# Altium PCB RTD_12POS_WPS.PcbDoc (part 1 of 2)
Units mm, origin at the board's own origin, x right, y up, seen from the top; angles counter-clockwise.
Board outline 122.3 x 122.04 mm, 2 copper layers (Top Layer, Bottom Layer); 302 components, 206 nets, 1167 pads, 0 vias.
Unrouted connection lines stored in the file: 871.
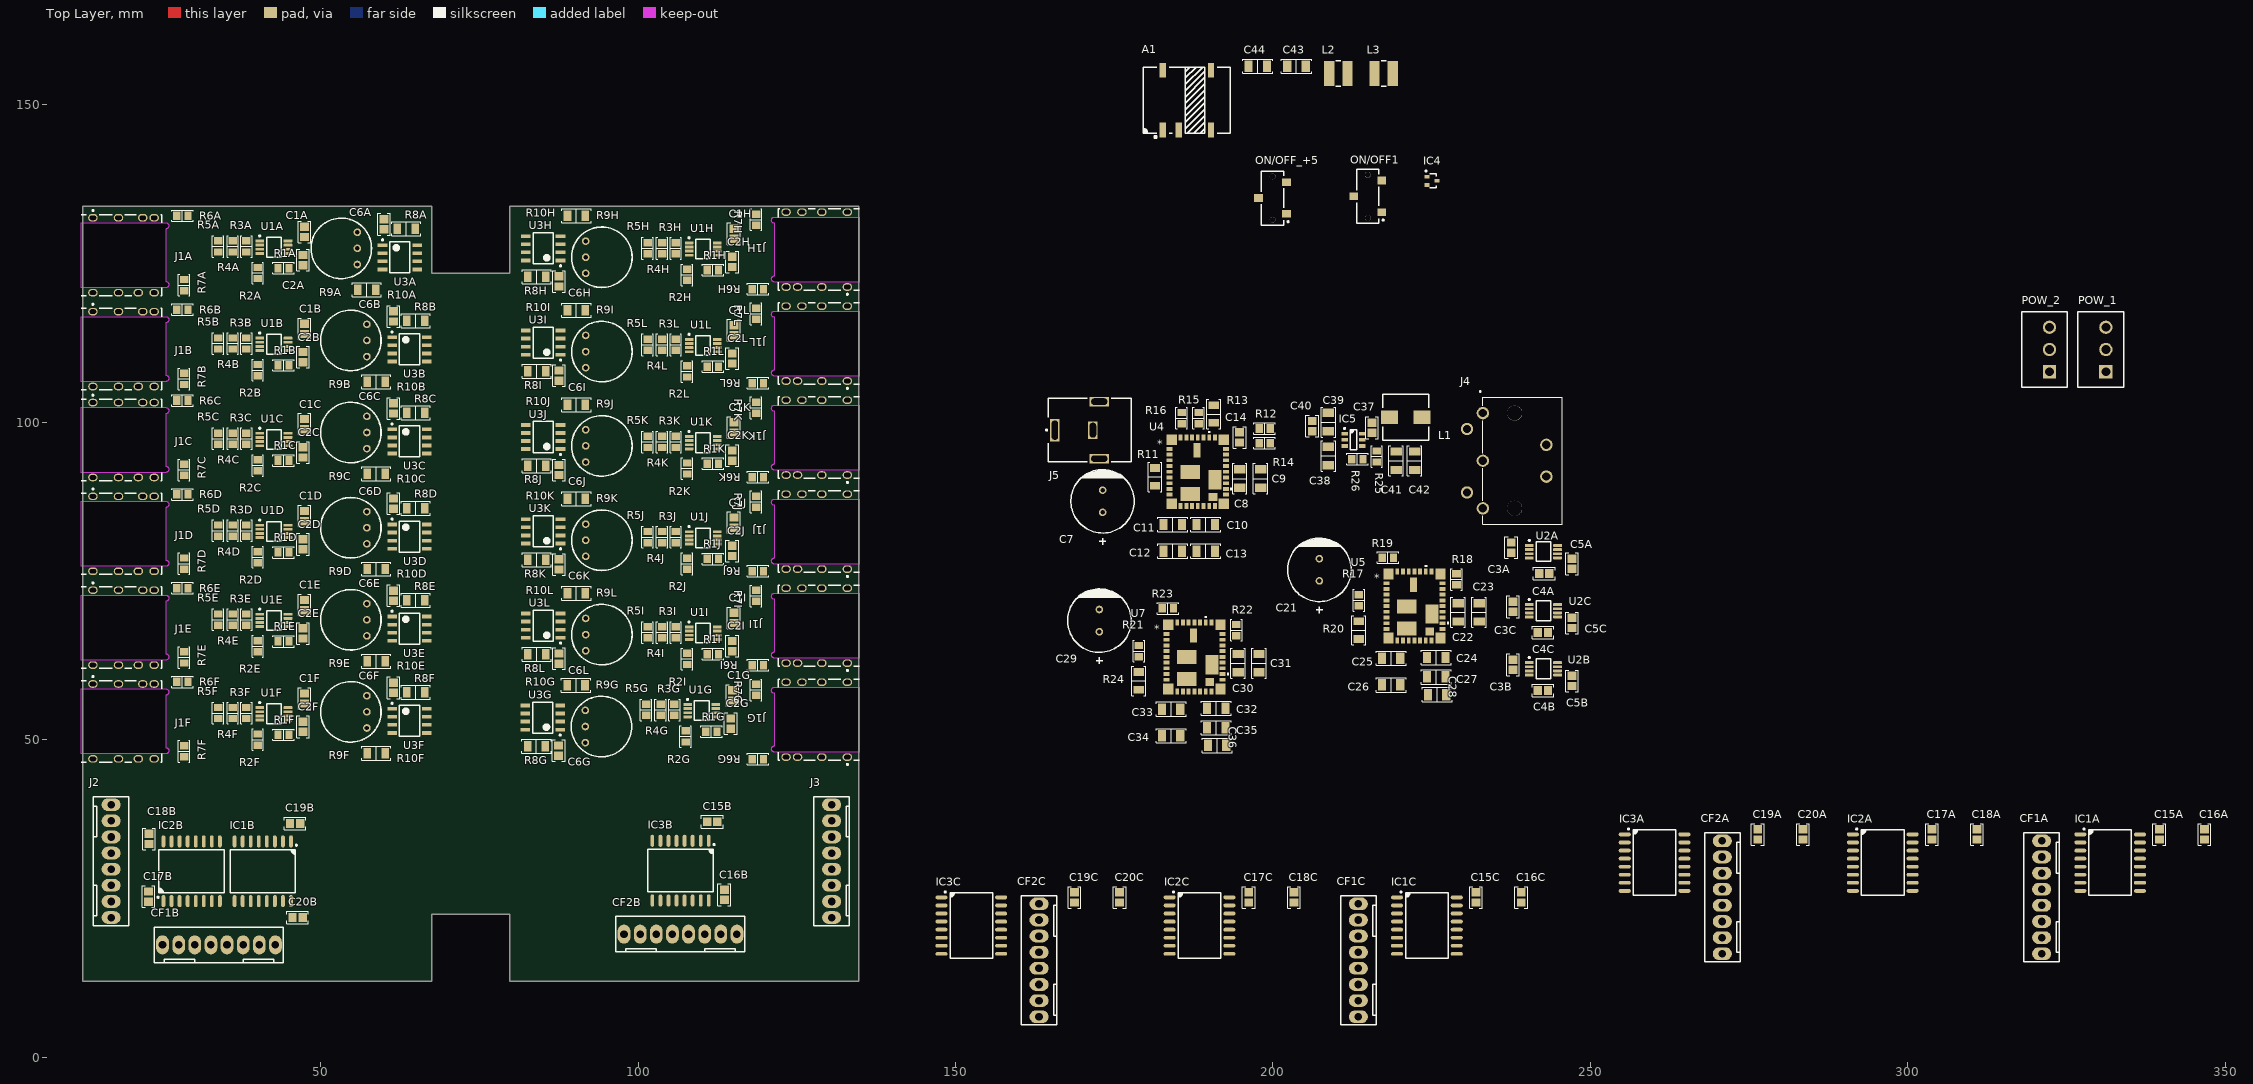
[diagram p0: Top Layer view]
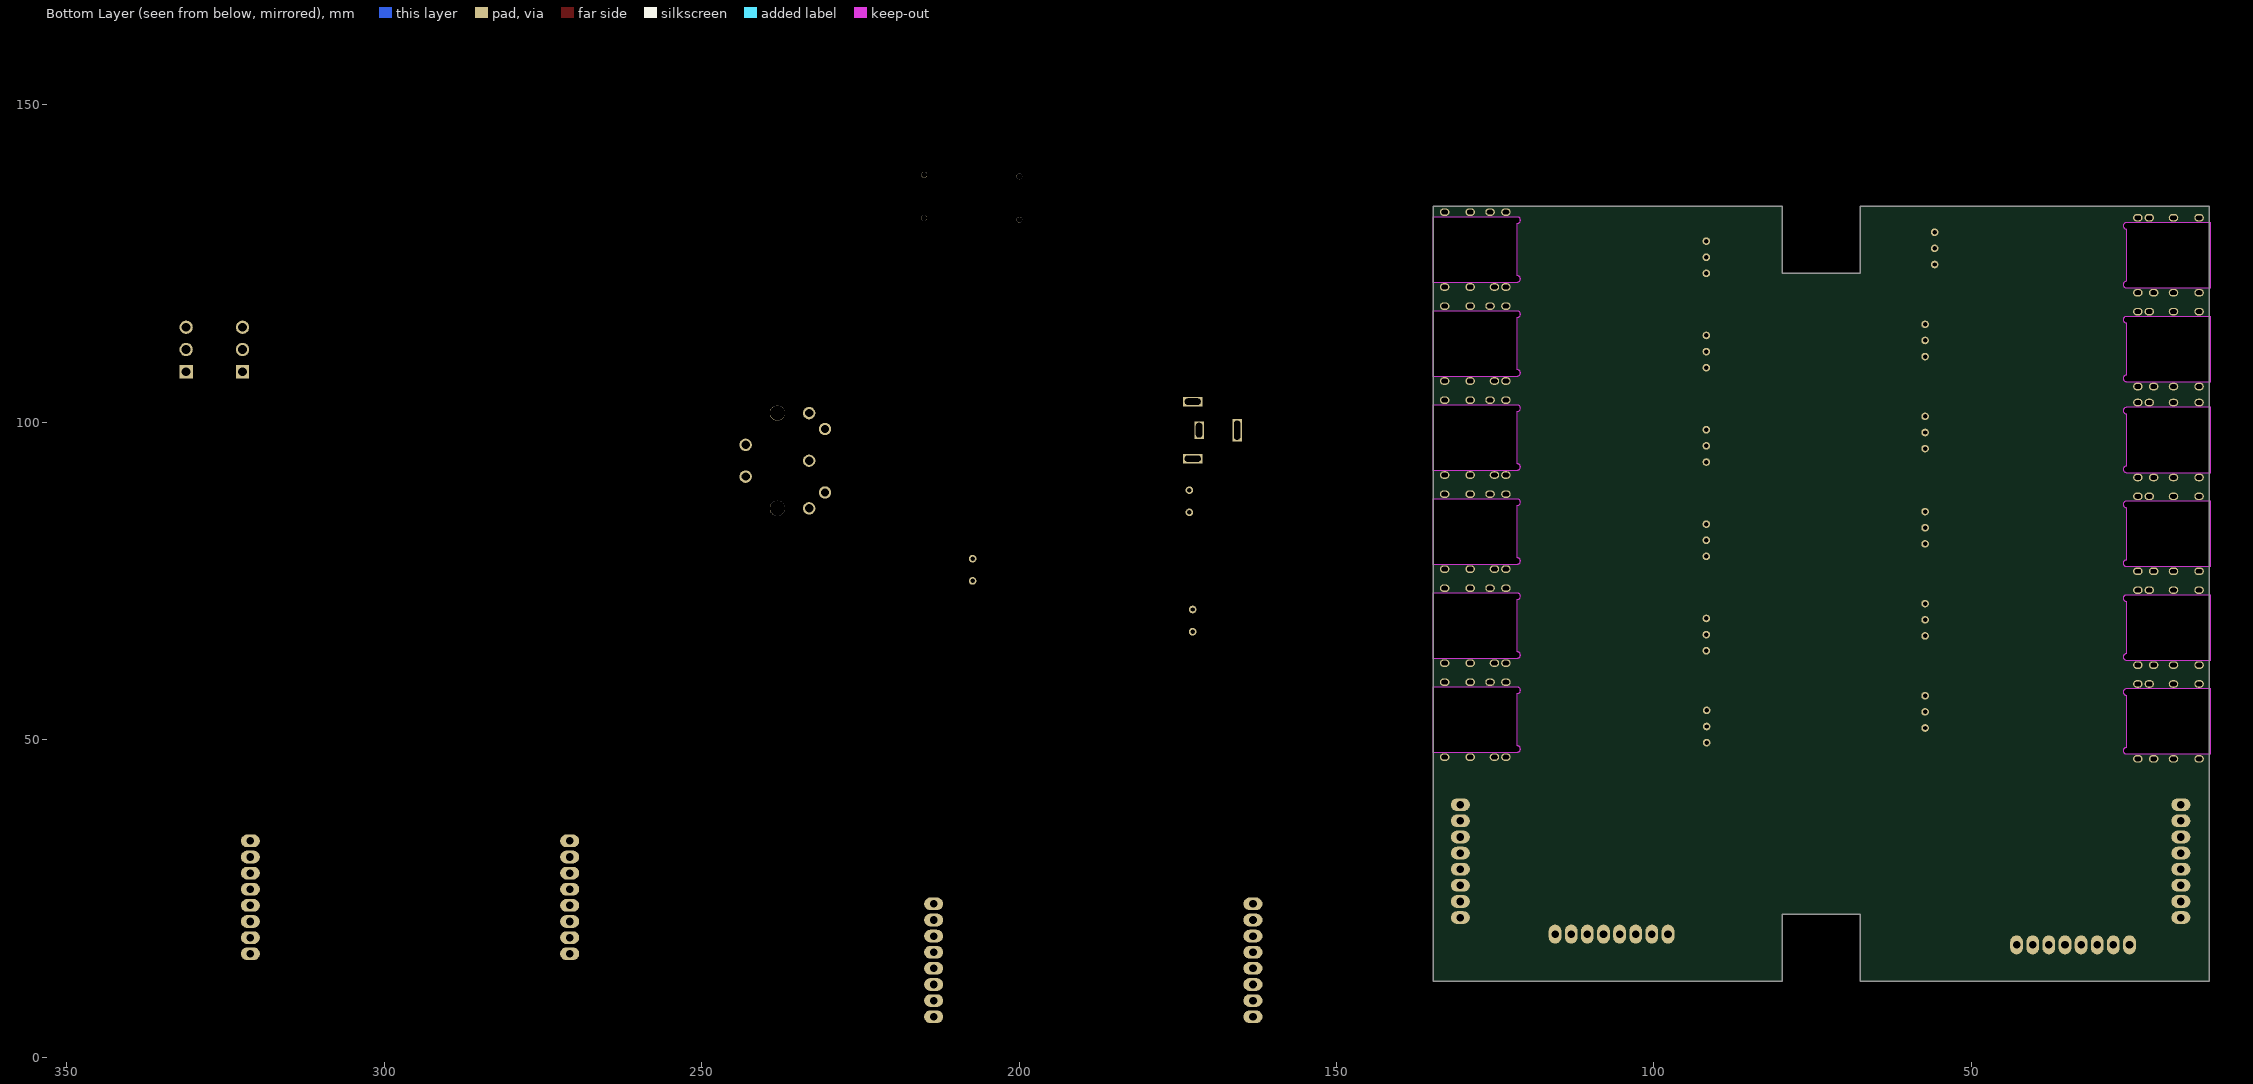
[diagram p1: Bottom Layer view, seen from below]

## Layer stack, top to bottom
Top Solder: solder mask 0.0102, Solder Resist, Dk 3.5
Top Layer: signal copper 0.0356
Dielectric 1: dielectric 0.32, FR-4, Dk 4.8
Bottom Layer: signal copper 0.0356
Bottom Solder: solder mask 0.0102, Solder Resist, Dk 3.5

## Board outline
12.5,12 12.5,134.04 67.48,134.04 67.48,123.51 79.82,123.51 79.82,134.04 134.8,134.04 134.8,12 79.81,12 79.81,22.53 67.48,22.53 67.48,12

## Design rules (kind name [scope] priority, off if disabled: settings)
Clearance [All] p1: gap=0.254 ignorepadtopadclearanceinfootprint=FALSE except(0: Arc-Hole Track-Hole SMDPad-Hole THPad-Hole Via-Hole Fill-Hole Poly-Hole Region-Hole Text-Hole)
PolygonConnect [All] p1: connectstyle=Relief reliefconductorwidth=0.254 reliefentries=4 polygonreliefangle="90 Angle" airgapwidth=0.254
RoomDefinition U_ConnGd-_1 [InComponentClass('U_ConnGd-')] p1: confinementstyle=ConfineIn formatcopy=TRUE lockcomponents=FALSE outline 23.744,16.208 48.695,16.208 48.695,41.1 23.744,41.1
RoomDefinition U_MonitorOut_1 [InComponentClass('U_MonitorOut 1')] p2: confinementstyle=ConfineIn formatcopy=TRUE lockcomponents=FALSE outline 13,19.5 21.5,19.5 21.5,42.5 13,42.5
RoomDefinition U_VrefSchC [InComponentClass('U_VrefSchC')] p3: confinementstyle=ConfineIn formatcopy=TRUE lockcomponents=FALSE outline 236.417,65.503 248.482,65.503 248.482,72.996 236.417,72.996
RoomDefinition U_VrefSchB [InComponentClass('U_VrefSchB')] p4: confinementstyle=ConfineIn formatcopy=TRUE lockcomponents=FALSE outline 236.417,56.359 248.482,56.359 248.482,63.852 236.417,63.852
RoomDefinition U_VrefSchA [InComponentClass('U_VrefSchA')] p5: confinementstyle=ConfineIn formatcopy=TRUE lockcomponents=FALSE outline 236.417,74.812 248.482,74.812 248.482,82.305 236.417,82.305
RoomDefinition U_VccConnSch [InComponentClass('U_VccConnSch')] p6: confinementstyle=ConfineIn formatcopy=TRUE lockcomponents=FALSE outline 163.9,104.365 163.9,93.189 180.537,93.189 180.537,104.365
RoomDefinition U_RTDAnalogL [InComponentClass('U_RTDAnalogL')] p7: confinementstyle=ConfineIn formatcopy=TRUE lockcomponents=FALSE outline 100.23,106 116.486,106 116.486,116.541 100.23,116.541
RoomDefinition U_RTDAnalogK [InComponentClass('U_RTDAnalogK')] p8: confinementstyle=ConfineIn formatcopy=TRUE lockcomponents=FALSE outline 100.23,90.706 116.486,90.706 116.486,101.247 100.23,101.247
RoomDefinition U_RTDAnalogJ [InComponentClass('U_RTDAnalogJ')] p9: confinementstyle=ConfineIn formatcopy=TRUE lockcomponents=FALSE outline 100.23,75.706 116.486,75.706 116.486,86.247 100.23,86.247
RoomDefinition U_RTDAnalogI [InComponentClass('U_RTDAnalogI')] p10: confinementstyle=ConfineIn formatcopy=TRUE lockcomponents=FALSE outline 100.23,60.706 116.486,60.706 116.486,71.247 100.23,71.247
RoomDefinition U_RTDAnalogH [InComponentClass('U_RTDAnalogH')] p11: confinementstyle=ConfineIn formatcopy=TRUE lockcomponents=FALSE outline 100.23,121.206 116.486,121.206 116.486,131.747 100.23,131.747
RoomDefinition U_RTDAnalogG [InComponentClass('U_RTDAnalogG')] p12: confinementstyle=ConfineIn formatcopy=TRUE lockcomponents=FALSE outline 100,48.5 116.256,48.5 116.256,59.041 100,59.041
RoomDefinition U_RTDAnalogF [InComponentClass('U_RTDAnalogF')] p13: confinementstyle=ConfineIn formatcopy=TRUE lockcomponents=FALSE outline 32.605,48 48.861,48 48.861,58.541 32.605,58.541
RoomDefinition U_RTDAnalogE [InComponentClass('U_RTDAnalogE')] p14: confinementstyle=ConfineIn formatcopy=TRUE lockcomponents=FALSE outline 32.605,62.706 48.861,62.706 48.861,73.247 32.605,73.247
RoomDefinition U_RTDAnalogD [InComponentClass('U_RTDAnalogD')] p15: confinementstyle=ConfineIn formatcopy=TRUE lockcomponents=FALSE outline 32.605,76.736 48.861,76.736 48.861,87.277 32.605,87.277
RoomDefinition U_RTDAnalogC [InComponentClass('U_RTDAnalogC')] p16: confinementstyle=ConfineIn formatcopy=TRUE lockcomponents=FALSE outline 32.605,91.206 48.861,91.206 48.861,101.747 32.605,101.747
RoomDefinition U_RTDAnalogB [InComponentClass('U_RTDAnalogB')] p17: confinementstyle=ConfineIn formatcopy=TRUE lockcomponents=FALSE outline 32.605,106.206 48.861,106.206 48.861,116.747 32.605,116.747
RoomDefinition U_RTDAnalogA [InComponentClass('U_RTDAnalogA')] p18: confinementstyle=ConfineIn formatcopy=TRUE lockcomponents=FALSE outline 32.605,121.5 48.861,121.5 48.861,132.041 32.605,132.041
RoomDefinition U_PowerIsolation [InComponentClass('U_PowerIsolation')] p19: confinementstyle=ConfineIn formatcopy=TRUE lockcomponents=FALSE outline 178.943,144.018 220.472,144.018 220.472,160.02 178.943,160.02
RoomDefinition U_PowerDelivery [InComponentClass('U_PowerDelivery')] p20: confinementstyle=ConfineIn formatcopy=TRUE lockcomponents=FALSE outline 178.943,127.127 227.965,127.127 227.965,142.621 178.943,142.621
RoomDefinition U_Neg12V [InComponentClass('U_Neg12V')] p21: confinementstyle=ConfineIn formatcopy=TRUE lockcomponents=FALSE outline 167.456,48.612 200.476,48.612 200.476,74.901 167.456,74.901
RoomDefinition U_Neg5V [InComponentClass('U_Neg5V')] p22: confinementstyle=ConfineIn formatcopy=TRUE lockcomponents=FALSE outline 201.873,55.597 234.004,55.597 234.004,82.14 201.873,82.14
RoomDefinition U_MonitorOut [InComponentClass('U_MonitorOut')] p23: confinementstyle=ConfineIn formatcopy=TRUE lockcomponents=FALSE outline 134.5,42.5 126,42.5 126,19.5 134.5,19.5
RoomDefinition U_IsolationOut [InComponentClass('U_IsolationOut')] p24: confinementstyle=ConfineIn formatcopy=TRUE lockcomponents=FALSE outline 146.4,4.1 244.571,4.1 244.571,28.992 146.4,28.992
RoomDefinition U_ConnGd- [InComponentClass('U_ConnGd-')] p25: confinementstyle=ConfineIn formatcopy=TRUE lockcomponents=FALSE outline 121.92,39.8 94.8,39.8 94.8,14.908 121.92,14.908
RoomDefinition U_ConnGD+ [InComponentClass('U_ConnGD+')] p26: confinementstyle=ConfineIn formatcopy=TRUE lockcomponents=FALSE outline 254.016,26.21 352.187,26.21 352.187,51.102 254.016,51.102
RoomDefinition U_ConnectorSchL [InComponentClass('U_ConnectorSchL')] p27: confinementstyle=ConfineIn formatcopy=TRUE lockcomponents=FALSE outline 138.111,119.738 116.611,119.738 116.611,104.738 138.111,104.738
RoomDefinition U_ConnectorSchK [InComponentClass('U_ConnectorSchK')] p28: confinementstyle=ConfineIn formatcopy=TRUE lockcomponents=FALSE outline 138.111,104.929 116.611,104.929 116.611,89.929 138.111,89.929
RoomDefinition U_ConnectorSchJ [InComponentClass('U_ConnectorSchJ')] p29: confinementstyle=ConfineIn formatcopy=TRUE lockcomponents=FALSE outline 138.111,90.119 116.611,90.119 116.611,75.119 138.111,75.119
RoomDefinition U_ConnectorSchI [InComponentClass('U_ConnectorSchI')] p30: confinementstyle=ConfineIn formatcopy=TRUE lockcomponents=FALSE outline 138.111,75.31 116.611,75.31 116.611,60.31 138.111,60.31
RoomDefinition U_ConnectorSchH [InComponentClass('U_ConnectorSchH')] p31: confinementstyle=ConfineIn formatcopy=TRUE lockcomponents=FALSE outline 138.111,134.548 116.611,134.548 116.611,119.548 138.111,119.548
RoomDefinition U_ConnectorSchG [InComponentClass('U_ConnectorSchG')] p32: confinementstyle=ConfineIn formatcopy=TRUE lockcomponents=FALSE outline 138.111,60.5 116.611,60.5 116.611,45.5 138.111,45.5
RoomDefinition U_ConnectorSchF [InComponentClass('U_ConnectorSchF')] p33: confinementstyle=ConfineIn formatcopy=TRUE lockcomponents=FALSE outline 9,45.575 30.5,45.575 30.5,60.575 9,60.575
RoomDefinition U_ConnectorSchE [InComponentClass('U_ConnectorSchE')] p34: confinementstyle=ConfineIn formatcopy=TRUE lockcomponents=FALSE outline 9,60.35 30.5,60.35 30.5,75.35 9,75.35
RoomDefinition U_ConnectorSchD [InComponentClass('U_ConnectorSchD')] p35: confinementstyle=ConfineIn formatcopy=TRUE lockcomponents=FALSE outline 9,75.126 30.5,75.126 30.5,90.126 9,90.126
RoomDefinition U_ConnectorSchC [InComponentClass('U_ConnectorSchC')] p36: confinementstyle=ConfineIn formatcopy=TRUE lockcomponents=FALSE outline 9,89.901 30.5,89.901 30.5,104.901 9,104.901
RoomDefinition U_ConnectorSchB [InComponentClass('U_ConnectorSchB')] p37: confinementstyle=ConfineIn formatcopy=TRUE lockcomponents=FALSE outline 9,104.102 30.5,104.102 30.5,119.102 9,119.102
RoomDefinition U_ConnectorSchA [InComponentClass('U_ConnectorSchA')] p38: confinementstyle=ConfineIn formatcopy=TRUE lockcomponents=FALSE outline 9,119 30.5,119 30.5,134 9,134
RoomDefinition U_ComparisonSchL [InComponentClass('U_ComparisonSchL')] p39: confinementstyle=ConfineIn formatcopy=TRUE lockcomponents=FALSE outline 100.057,74.981 81.057,74.981 81.057,60.481 100.057,60.481
RoomDefinition U_ComparisonSchK [InComponentClass('U_ComparisonSchK')] p40: confinementstyle=ConfineIn formatcopy=TRUE lockcomponents=FALSE outline 100.057,89.84 81.057,89.84 81.057,75.34 100.057,75.34
RoomDefinition U_ComparisonSchJ [InComponentClass('U_ComparisonSchJ')] p41: confinementstyle=ConfineIn formatcopy=TRUE lockcomponents=FALSE outline 100.057,104.699 81.057,104.699 81.057,90.199 100.057,90.199
RoomDefinition U_ComparisonSchI [InComponentClass('U_ComparisonSchI')] p42: confinementstyle=ConfineIn formatcopy=TRUE lockcomponents=FALSE outline 100.057,119.558 81.057,119.558 81.057,105.058 100.057,105.058
RoomDefinition U_ComparisonSchH [InComponentClass('U_ComparisonSchH')] p43: confinementstyle=ConfineIn formatcopy=TRUE lockcomponents=FALSE outline 100.057,134.417 81.057,134.417 81.057,119.917 100.057,119.917
RoomDefinition U_ComparisonSchG [InComponentClass('U_ComparisonSchG')] p44: confinementstyle=ConfineIn formatcopy=TRUE lockcomponents=FALSE outline 100,60.5 81,60.5 81,46 100,46
RoomDefinition U_ComparisonSchF [InComponentClass('U_ComparisonSchF')] p45: confinementstyle=ConfineIn formatcopy=TRUE lockcomponents=FALSE outline 49,46 68,46 68,60.5 49,60.5
RoomDefinition U_ComparisonSchE [InComponentClass('U_ComparisonSchE')] p46: confinementstyle=ConfineIn formatcopy=TRUE lockcomponents=FALSE outline 49,60.5 68,60.5 68,75 49,75
RoomDefinition U_ComparisonSchD [InComponentClass('U_ComparisonSchD')] p47: confinementstyle=ConfineIn formatcopy=TRUE lockcomponents=FALSE outline 49,75 68,75 68,89.5 49,89.5
RoomDefinition U_ComparisonSchC [InComponentClass('U_ComparisonSchC')] p48: confinementstyle=ConfineIn formatcopy=TRUE lockcomponents=FALSE outline 49,90 68,90 68,104.5 49,104.5
RoomDefinition U_ComparisonSchB [InComponentClass('U_ComparisonSchB')] p49: confinementstyle=ConfineIn formatcopy=TRUE lockcomponents=FALSE outline 49,104.5 68,104.5 68,119 49,119
RoomDefinition U_ComparisonSchA [InComponentClass('U_ComparisonSchA')] p50: confinementstyle=ConfineIn formatcopy=TRUE lockcomponents=FALSE outline 47.5,119 66.5,119 66.5,133.5 47.5,133.5
RoomDefinition U_12VSupply [InComponentClass('U_12VSupply')] p51: confinementstyle=ConfineIn formatcopy=TRUE lockcomponents=FALSE outline 167.71,77.695 200.73,77.695 200.73,103.984 167.71,103.984
RoomDefinition U_5VSupply [InComponentClass('U_5VSupply')] p52: confinementstyle=ConfineIn formatcopy=TRUE lockcomponents=FALSE outline 204.794,91.157 225.749,91.157 225.749,105 204.794,105
RoutingVias [All] p1: holewidth=0.711 width=1.27 viastyle="Through Hole" minholewidth=0.711 minwidth=1.27 maxholewidth=0.711 maxwidth=1.27
SolderMaskExpansion [All] p1: expansion=0.102 istentingtop=FALSE
Width [All] p1: maxlimit=0.254 minlimit=0.254 preferedwidth=0.254
30 further rules are at their usual default settings.

## Classes and differential pairs
component class "U_MonitorOut 1": J2
channel class VrefSch: U_VrefSchA U_VrefSchB U_VrefSchC
channel class RTDAnalog: U_RTDAnalogA U_RTDAnalogB U_RTDAnalogC U_RTDAnalogD U_RTDAnalogE U_RTDAnalogF U_RTDAnalogG U_RTDAnalogH U_RTDAnalogI U_RTDAnalogJ U_RTDAnalogK U_RTDAnalogL
channel class IsolationOut: U_ConnGD+ U_ConnGd- U_IsolationOut
channel class ConnectorSch: U_ConnectorSchA U_ConnectorSchB U_ConnectorSchC U_ConnectorSchD U_ConnectorSchE U_ConnectorSchF U_ConnectorSchG U_ConnectorSchH U_ConnectorSchI U_ConnectorSchJ U_ConnectorSchK U_ConnectorSchL
channel class ComparisonSch: U_ComparisonSchA U_ComparisonSchB U_ComparisonSchC U_ComparisonSchD U_ComparisonSchE U_ComparisonSchF U_ComparisonSchG U_ComparisonSchH U_ComparisonSchI U_ComparisonSchJ U_ComparisonSchK U_ComparisonSchL
net class Vrtd[1..12]: Vrtd1 Vrtd2 Vrtd3 Vrtd4 Vrtd5 Vrtd6 Vrtd7 Vrtd8 Vrtd9 Vrtd10 Vrtd11 Vrtd12
net class Vref[1..3]: Vref1 Vref2 Vref3
net class RTD_GND[1..12]: RTD_GND1 RTD_GND2 RTD_GND3 RTD_GND4 RTD_GND5 RTD_GND6 RTD_GND7 RTD_GND8 RTD_GND9 RTD_GND10 RTD_GND11 RTD_GND12
net class RTD-[1..12]: RTD-1 RTD-2 RTD-3 RTD-4 RTD-5 RTD-6 RTD-7 RTD-8 RTD-9 RTD-10 RTD-11 RTD-12
net class RTD+[1..12]: RTD+1 RTD+2 RTD+3 RTD+4 RTD+5 RTD+6 RTD+7 RTD+8 RTD+9 RTD+10 RTD+11 RTD+12
net class CF[1..12]: CF1 CF2 CF3 CF4 CF5 CF6 CF7 CF8 CF9 CF10 CF11 CF12
component class U_VrefSchC: C3C C4C C5C U2C
component class U_VrefSchB: C3B C4B C5B U2B
component class U_VrefSchA: C3A C4A C5A U2A
component class U_VccConnSch: J5
component class U_RTDAnalogL: C1L C2L R1L R2L R3L R4L R5L U1L
component class U_RTDAnalogK: C1K C2K R1K R2K R3K R4K R5K U1K
component class U_RTDAnalogJ: C1J C2J R1J R2J R3J R4J R5J U1J
component class U_RTDAnalogI: C1I C2I R1I R2I R3I R4I R5I U1I
component class U_RTDAnalogH: C1H C2H R1H R2H R3H R4H R5H U1H
component class U_RTDAnalogG: C1G C2G R1G R2G R3G R4G R5G U1G
component class U_RTDAnalogF: C1F C2F R1F R2F R3F R4F R5F U1F
component class U_RTDAnalogE: C1E C2E R1E R2E R3E R4E R5E U1E
component class U_RTDAnalogD: C1D C2D R1D R2D R3D R4D R5D U1D
component class U_RTDAnalogC: C1C C2C R1C R2C R3C R4C R5C U1C
component class U_RTDAnalogB: C1B C2B R1B R2B R3B R4B R5B U1B
component class U_RTDAnalogA: C1A C2A R1A R2A R3A R4A R5A U1A
component class U_PowerIsolation: A1 C43 C44 L2 L3
component class U_PowerDelivery: IC4 J4 ON/OFF1 ON/OFF_+5 POW_1 POW_2
component class U_Neg12V: C29 C30 C31 C32 C33 C34 C35 C36 R21 R22 R23 R24 U7 U8
component class U_Neg5V: C21 C22 C23 C24 C25 C26 C27 C28 R17 R18 R19 R20 U5 U6
component class U_MonitorOut: J3
component class U_IsolationOut: C15C C16C C17C C18C C19C C20C CF1C CF2C IC1C IC2C IC3C
component class U_ConnGd-: C15B C16B C17B C18B C19B C20B CF1B CF2B IC1B IC2B IC3B
component class U_ConnGD+: C15A C16A C17A C18A C19A C20A CF1A CF2A IC1A IC2A IC3A
component class U_ConnectorSchL: J1L R6L R7L
component class U_ConnectorSchK: J1K R6K R7K
component class U_ConnectorSchJ: J1J R6J R7J
component class U_ConnectorSchI: J1I R6I R7I
component class U_ConnectorSchH: J1H R6H R7H
component class U_ConnectorSchG: J1G R6G R7G
component class U_ConnectorSchF: J1F R6F R7F
component class U_ConnectorSchE: J1E R6E R7E
component class U_ConnectorSchD: J1D R6D R7D
component class U_ConnectorSchC: J1C R6C R7C
component class U_ConnectorSchB: J1B R6B R7B
component class U_ConnectorSchA: J1A R6A R7A
component class U_ComparisonSchL: C6L R8L R9L R10L U3L
component class U_ComparisonSchK: C6K R8K R9K R10K U3K
component class U_ComparisonSchJ: C6J R8J R9J R10J U3J
component class U_ComparisonSchI: C6I R8I R9I R10I U3I
component class U_ComparisonSchH: C6H R8H R9H R10H U3H
component class U_ComparisonSchG: C6G R8G R9G R10G U3G
component class U_ComparisonSchF: C6F R8F R9F R10F U3F
component class U_ComparisonSchE: C6E R8E R9E R10E U3E
component class U_ComparisonSchD: C6D R8D R9D R10D U3D
component class U_ComparisonSchC: C6C R8C R9C R10C U3C
component class U_ComparisonSchB: C6B R8B R9B R10B U3B
component class U_ComparisonSchA: C6A R8A R9A R10A U3A
component class U_12VSupply: C7 C8 C9 C10 C11 C12 C13 C14 R11 R12 R13 R14 R15 R16 U4
component class U_5VSupply: C37 C38 C39 C40 C41 C42 IC5 J6 L1 R25 R26
